# Altium PCB controller_V1.1.PcbDoc (part 3 of 6)
Units mm, origin at the board's own origin, x right, y up, seen from the top; angles counter-clockwise.
Board outline 150 x 150 mm, 2 copper layers (Top Layer, Bottom Layer); 287 components, 242 nets, 1096 pads, 5968 vias.
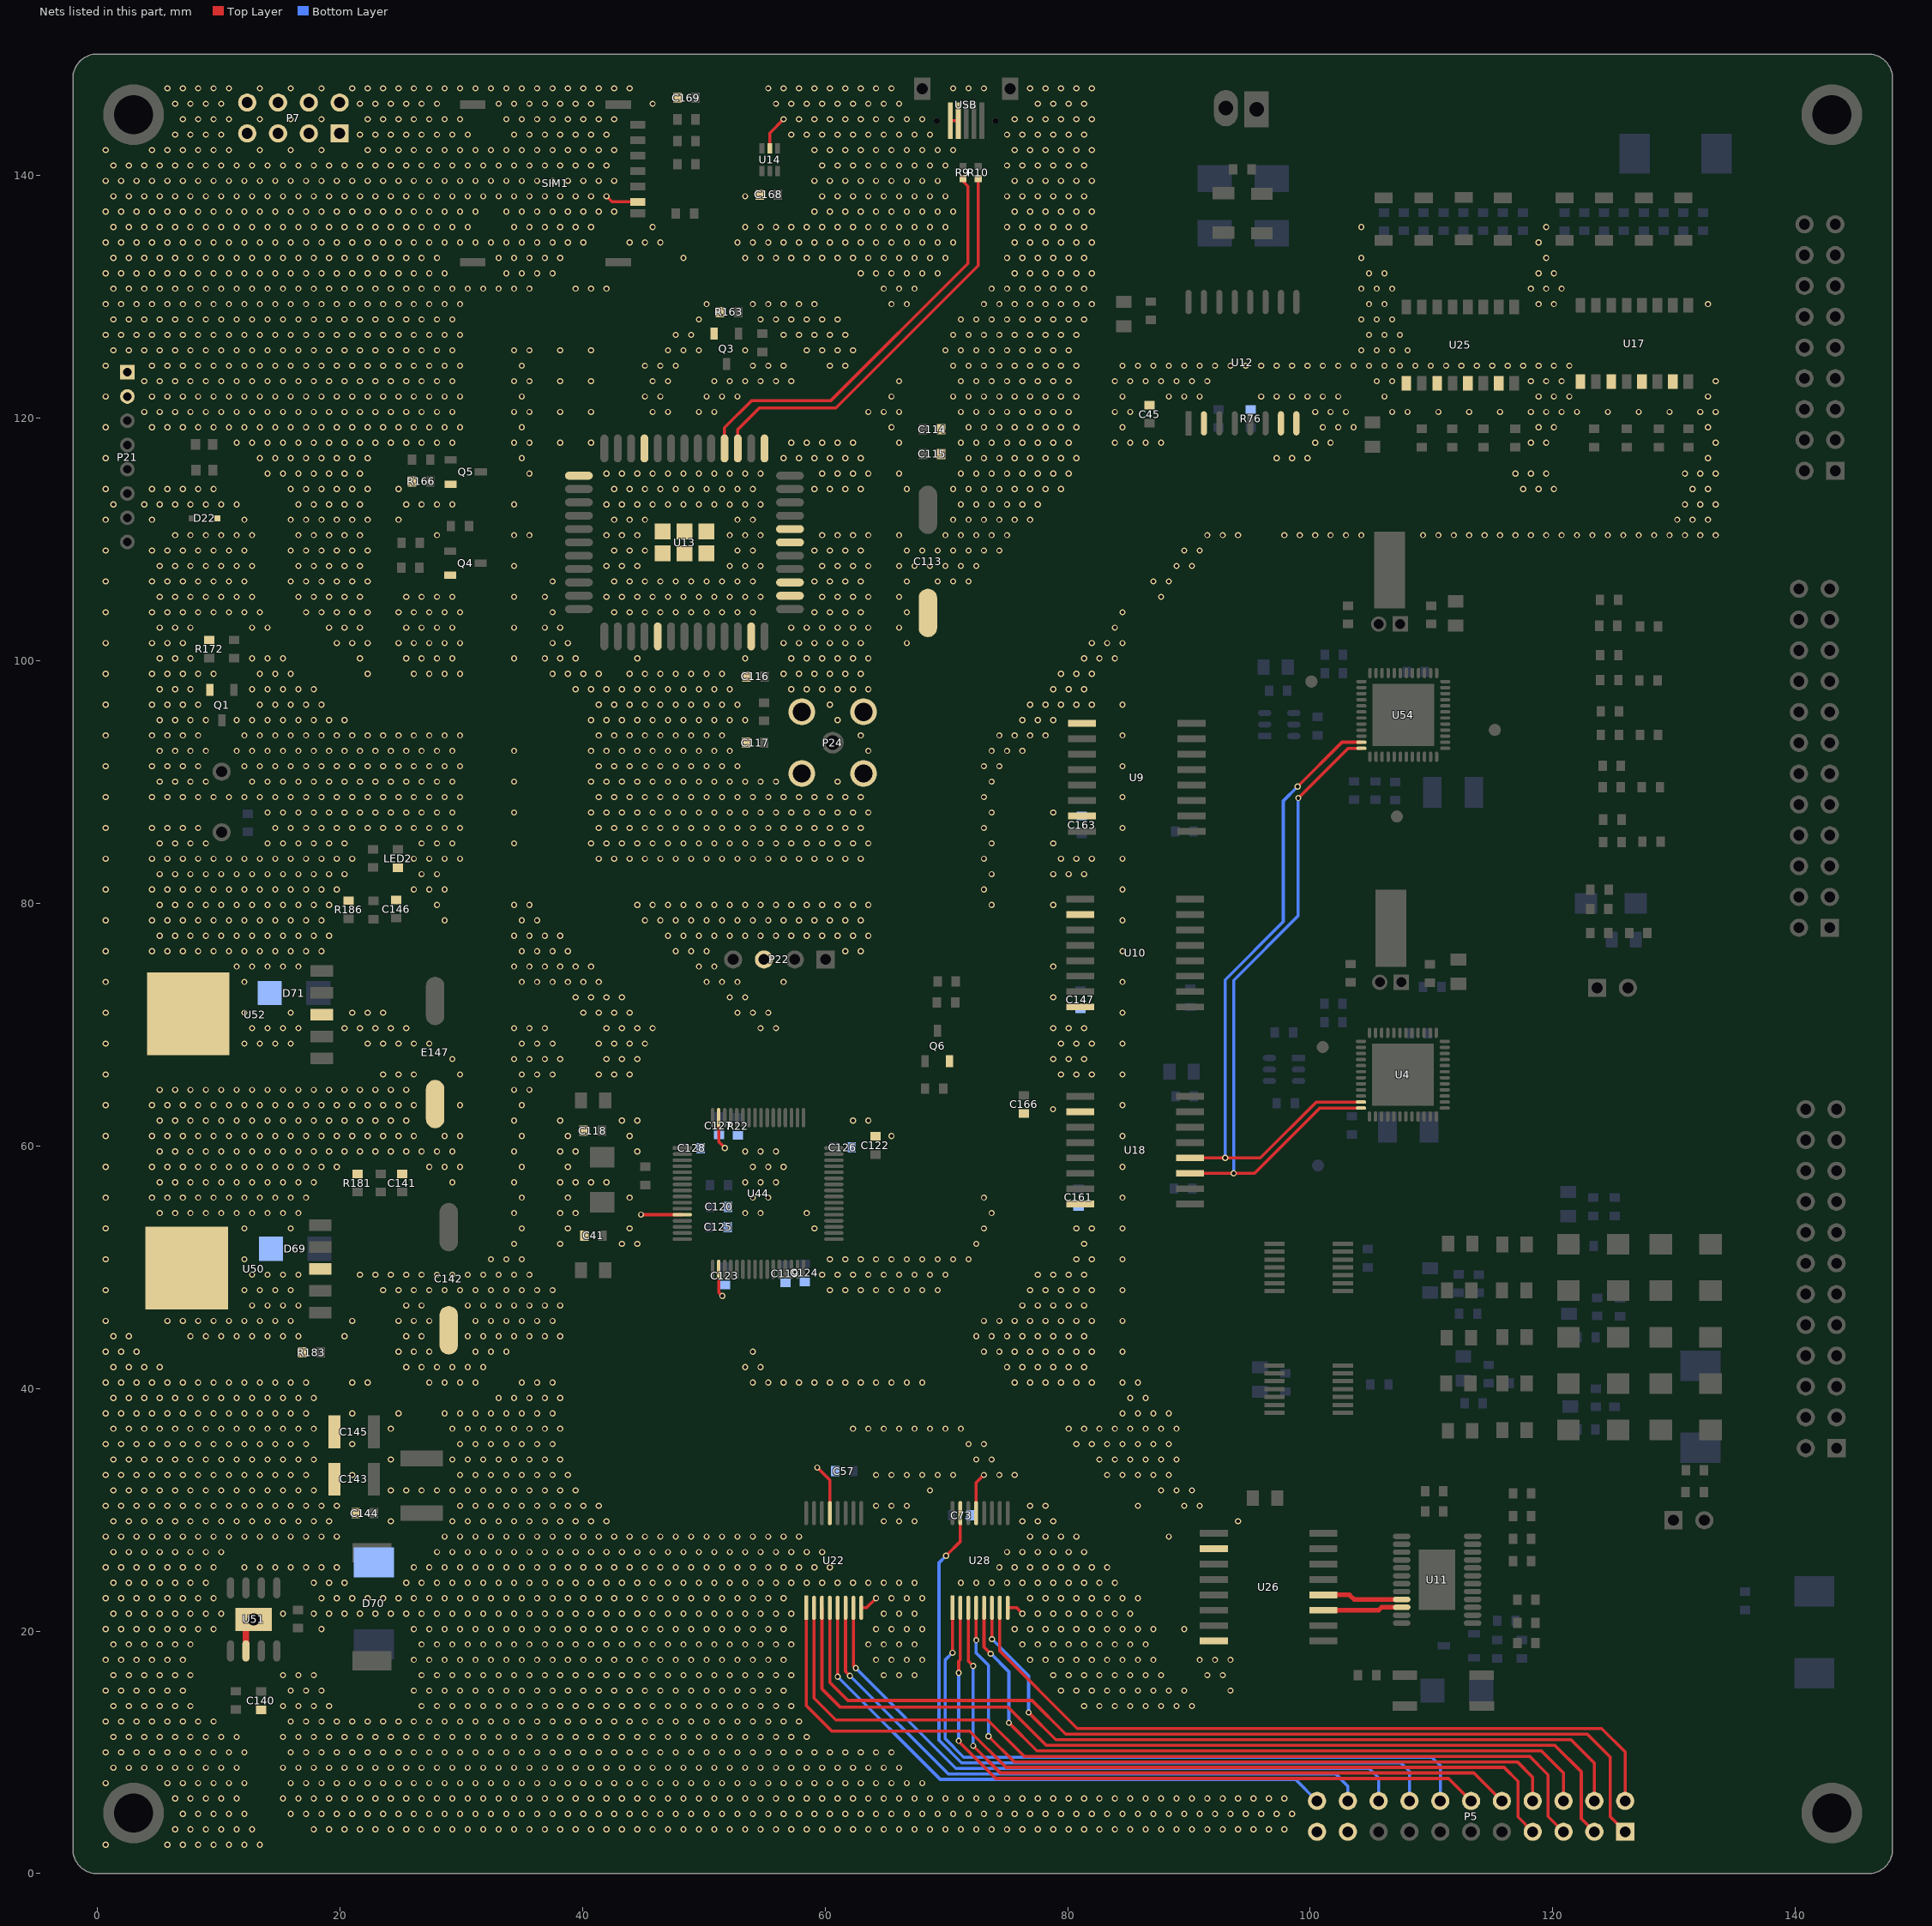
[diagram p3: the nets of this part, all layers, seen from the top]

## Via types
v1: diameter 0.508, hole 0.305, Top Layer to Bottom Layer, tented both sides, 5878 vias
v2: diameter 0.6, hole 0.3, Top Layer to Bottom Layer, 50 vias
v3: diameter 0.762, hole 0.508, Top Layer to Bottom Layer, tented both sides, 30 vias
v4: diameter 1.524, hole 1.016, Top Layer to Bottom Layer, tented both sides, 8 vias
v5: diameter 1.5, hole 1, Top Layer to Bottom Layer, 1 vias
v6: diameter 1.016, hole 0.762, Top Layer to Bottom Layer, tented both sides, 1 vias

## Nets (pads, with @x,y where several pads share a name; then routed paths per layer and width w, separated by ;. In a path a pad name is that pad's centre, name@x,y a point inside that pad or via, vN(x,y) a via of type N, cw(c..) or ccw(c..) an arc to the next point about the centre after c; other vN are vias at no path point) (continued)
DIN: U4.23 U18.12 U54.23 | length 55.9
  Top Layer w0.254: U18.12@90.091,59.004 v1(92.988,59.004) 95.885,59.004 100.493,63.612 U4.23@104.185,63.612 ; v1(98.958,89.611) 102.619,93.271 U54.23@104.221,93.271
  Bottom Layer w0.254: v1(92.988,59.004) 92.988,73.683 97.78,78.475 97.78,88.432 v1(98.958,89.611)
DIN_AO: U11.9 U26.12 | length 6.6
  Top Layer w0.381: U26.12@101.089,22.987 103.226,22.987 103.607,22.606 U11.9@107.536,22.607
DM: R10.2 U13.3 | length 34
  Top Layer w0.254: U13.3@52.812,117.492 52.812,119.056 54.585,120.828 60.884,120.828 72.619,132.563 R10.2@72.619,139.624
DO_CTRL_0: P5.2 U28.7 | length 62.6
  Top Layer w0.254: U28.7@74.408,21.92 74.408,18.353 80.797,11.963 124.028,11.963 125.959,10.033 P5.2@125.959,5.994
DO_CTRL_1: P5.4 U28.6 | length 61.4
  Top Layer w0.254: U28.6@73.758,21.92 v1(73.758,19.333) v1@73.787,19.304 ; v1(76.784,13.284) 79.019,11.049 121.488,11.049 123.419,9.119 P5.4@123.419,5.994
  Bottom Layer w0.254: v1@73.787,19.304 76.784,16.307 v1(76.784,13.284)
DO_CTRL_2: P5.6 U28.5 | length 60.1
  Top Layer w0.254: U28.5@73.108,21.92 73.108,18.688 v1(73.66,18.136) ; v1(75.159,12.446) 77.47,10.135 119.05,10.135 120.879,8.306 P5.6@120.879,5.994
  Bottom Layer w0.254: v1@73.666,18.141 75.159,16.649 v1(75.159,12.446)
DO_CTRL_3: P5.8 U28.4 | length 59.2
  Top Layer w0.254: U28.4@72.458,21.92 72.458,19.262 v1(72.466,19.253) ; v1(73.482,11.328) 75.59,9.22 117.069,9.22 118.339,7.95 P5.8@118.339,5.994
  Bottom Layer w0.254: v1(72.466,19.253) 72.466,18.186 73.482,17.17 v1(73.482,11.328)
DO_CTRL_4: P5.10 U28.3 | length 57
  Top Layer w0.254: U28.3@71.808,21.92 71.808,17.524 v1(72.212,17.12) ; v1(72.212,10.541) 74.447,8.306 113.487,8.306 P5.10@115.799,5.994
  Bottom Layer w0.254: v1(72.212,10.541) v1(72.212,17.12)
DO_CTRL_5: P5.12 U28.2 | length 55.3
  Top Layer w0.254: v1(71.018,10.947) 71.018,10.909 74.078,7.849 111.404,7.849 P5.12@113.259,5.994 ; v1(71.018,16.561) 71.018,17.516 71.158,17.655 U28.2@71.158,21.92
  Bottom Layer w0.254: v1(71.018,10.947) v1(71.018,16.561)
DO_CTRL_6: P5.14 U28.1 | length 55.7
  Top Layer w0.254: U28.1@70.508,21.92 70.508,18.214 v1(70.51,18.212)
  Bottom Layer w0.254: v1(70.51,18.212) 69.894,17.595 69.894,11.144 71.436,9.601 110.033,9.601 110.719,8.915 P5.14@110.719,5.994
DO_CTRL_7: P5.16 U28.15 | length 61.7
  Top Layer w0.254: v1(69.977,26.213) 71.158,27.394 U28.15@71.158,29.72
  Bottom Layer w0.254: v1(69.977,26.213) 69.393,25.629 69.393,10.998 71.247,9.144 107.467,9.144 108.179,8.433 P5.16@108.179,5.994
DO_CTRL_8: P5.18 U22.7 | length 53.8
  Top Layer w0.254: U22.7@62.343,21.92 62.343,17.134 v1(62.535,16.942)
  Bottom Layer w0.254: v1(62.535,16.942) 70.79,8.687 104.851,8.687 105.639,7.899 P5.18@105.639,5.994
DO_CTRL_9: P5.20 U22.6 | length 51.8
  Top Layer w0.254: U22.6@61.693,21.92 61.693,16.666 v1(62.052,16.307)
  Bottom Layer w0.254: v1@62.065,16.319 70.155,8.23 102.083,8.23 103.099,7.214 P5.20@103.099,5.994
DO_CTRL_10: P5.22 U22.5 | length 49.5
  Top Layer w0.254: v1@61.036,16.231 v1(61.043,16.237) U22.5@61.043,21.92
  Bottom Layer w0.254: v1@61.036,16.231 69.494,7.772 98.781,7.772 P5.22@100.559,5.994
DO_CTRL_11: P5.1 U22.4 | length 79.7
  Top Layer w0.254: U22.4@60.393,21.92 60.393,15.756 61.874,14.275 77.064,14.275 79.832,11.506 122.834,11.506 124.739,9.601 124.739,4.674 P5.1@125.959,3.454
DO_CTRL_12: P5.3 U22.3 | length 77.5
  Top Layer w0.254: U22.3@59.743,21.92 59.743,15.238 61.265,13.716 75.108,13.716 78.232,10.592 120.154,10.592 122.338,8.407 122.338,4.535 P5.3@123.419,3.454
DO_CTRL_13: P5.5 U22.2 | length 75.8
  Top Layer w0.254: U22.2@59.093,21.92 59.093,14.466 60.884,12.675 73.406,12.675 76.403,9.677 118.085,9.677 119.609,8.153 119.609,4.724 P5.5@120.879,3.454
DO_CTRL_14: P5.7 U22.1 | length 74
  Top Layer w0.254: U22.1@58.443,21.92 58.443,13.871 60.554,11.76 71.933,11.76 74.93,8.763 115.976,8.763 117.119,7.62 117.119,4.674 P5.7@118.339,3.454
DOUT: U4.24 U18.11 U54.24 | length 56.4
  Top Layer w0.254: U18.11@90.091,57.734 v1(93.687,57.734) 95.402,57.734 100.78,63.112 U4.24@104.185,63.112 ; v1(99.009,88.671) 103.109,92.771 U54.24@104.221,92.771
  Bottom Layer w0.254: v1(93.687,57.734) 93.687,73.646 99.009,78.969 v1(99.009,88.671)
DOUT_AO: U11.10 U26.11 | length 6.5
  Top Layer w0.381: U26.11@101.089,21.717 105.639,21.717 105.878,21.957 U11.10@107.536,21.957
DP: R9.2 U13.4 | length 34.3
  Top Layer w0.254: U13.4@51.712,117.492 51.712,119.2 53.924,121.412 60.452,121.412 71.78,132.74 71.78,139.09 R9.2@71.349,139.522
GND: C41.1 C45.1 C57.2 C73.2 C113.2 C114.1 C115.1 C116.2 C117.2 C118.1 C119.1 C120.1 C122.1 C123.1 C124.1 C125.1 C126.1 C127.1 C128.1 C140.1 C141.1 C142.2 C143.2 C144.2 C145.2 C146.1 C147.1 C161.1 C163.1 C166.1 C168.1 C169.2 D22.1 D69.1 D70.1 D71.1 E147.2 LED2.2 P5.19 P5.21 P7.1 P7.2 P7.3 P7.4 P7.5 P7.6 P7.7 P7.8 P21.1 P21.2 P22.3 P24.2 P24.3 P24.4 P24.5 Q1.2 Q3.2 Q4.2 Q5.2 Q6.2 R22.2 R76.2 R163.1 R166.1 R172.2 R181.1 R183.1 R186.1 SIM1.5 U9.9 U9.15 U10.2 U10.8 U12.2 U12.7 U12.8 U13.1 U13.10 U13.27 U13.34 U13.36 U13.37 U13.40 U13.41 U13.89 U13.90 U13.91 U13.92 U13.93 U13.94 U13.95 U14.2 U17.9 U17.11 U17.13 U17.15 U18.2 U18.8 U22.8 U22.13 U25.9 U25.11 U25.13 U25.15 U26.2 U26.8 U28.8 U28.13 U44.12 U44.18 U44.63 U50.3 U50.6 U51.6 U51.9 U52.3 U52.6 USB.4 USB.5 | length 27.8
  Top Layer w0.254: v1(41.984,138.278) 42.447,137.814 SIM1.5@44.574,137.814 ; v1(44.831,54.331) 44.838,54.324 48.225,54.324 U44.12@48.232,54.317 ; U44.18@51.232,49.817 51.232,47.93 v1@51.587,47.574 ; U44.63@51.232,62.317 51.232,60.35 v1@51.765,59.817 ; U14.2@55.446,142.209 55.446,143.485 v1(56.589,144.628) ; v1(59.36,33.477) 60.393,32.444 U22.13@60.393,29.72 ; U22.8@62.993,21.92 63.421,21.92 v1(64.209,22.708) ; USB.5@70.334,144.492 USB.4@70.984,144.492 ; U28.13@72.458,29.72 72.458,32.227 v1(73.099,32.868) ; U28.8@75.058,21.92 75.791,21.92 v1(76.274,21.438)
  Top Layer w0.508: U51.6@12.266,18.361 12.266,20.724 U51.9@12.319,20.777